# Altium PCB ControllerV3.0.PcbDoc (part 1 of 2)
Units mm, origin at the board's own origin, x right, y up, seen from the top; angles counter-clockwise.
Board outline 52.02 x 50 mm, 6 copper layers (Top, Layer 1, Gnd, Signal, Layer 2, Bottom), stack 1.696 mm thick; 96 components, 87 nets, 385 pads, 235 vias.
Unrouted connection lines stored in the file: 72.
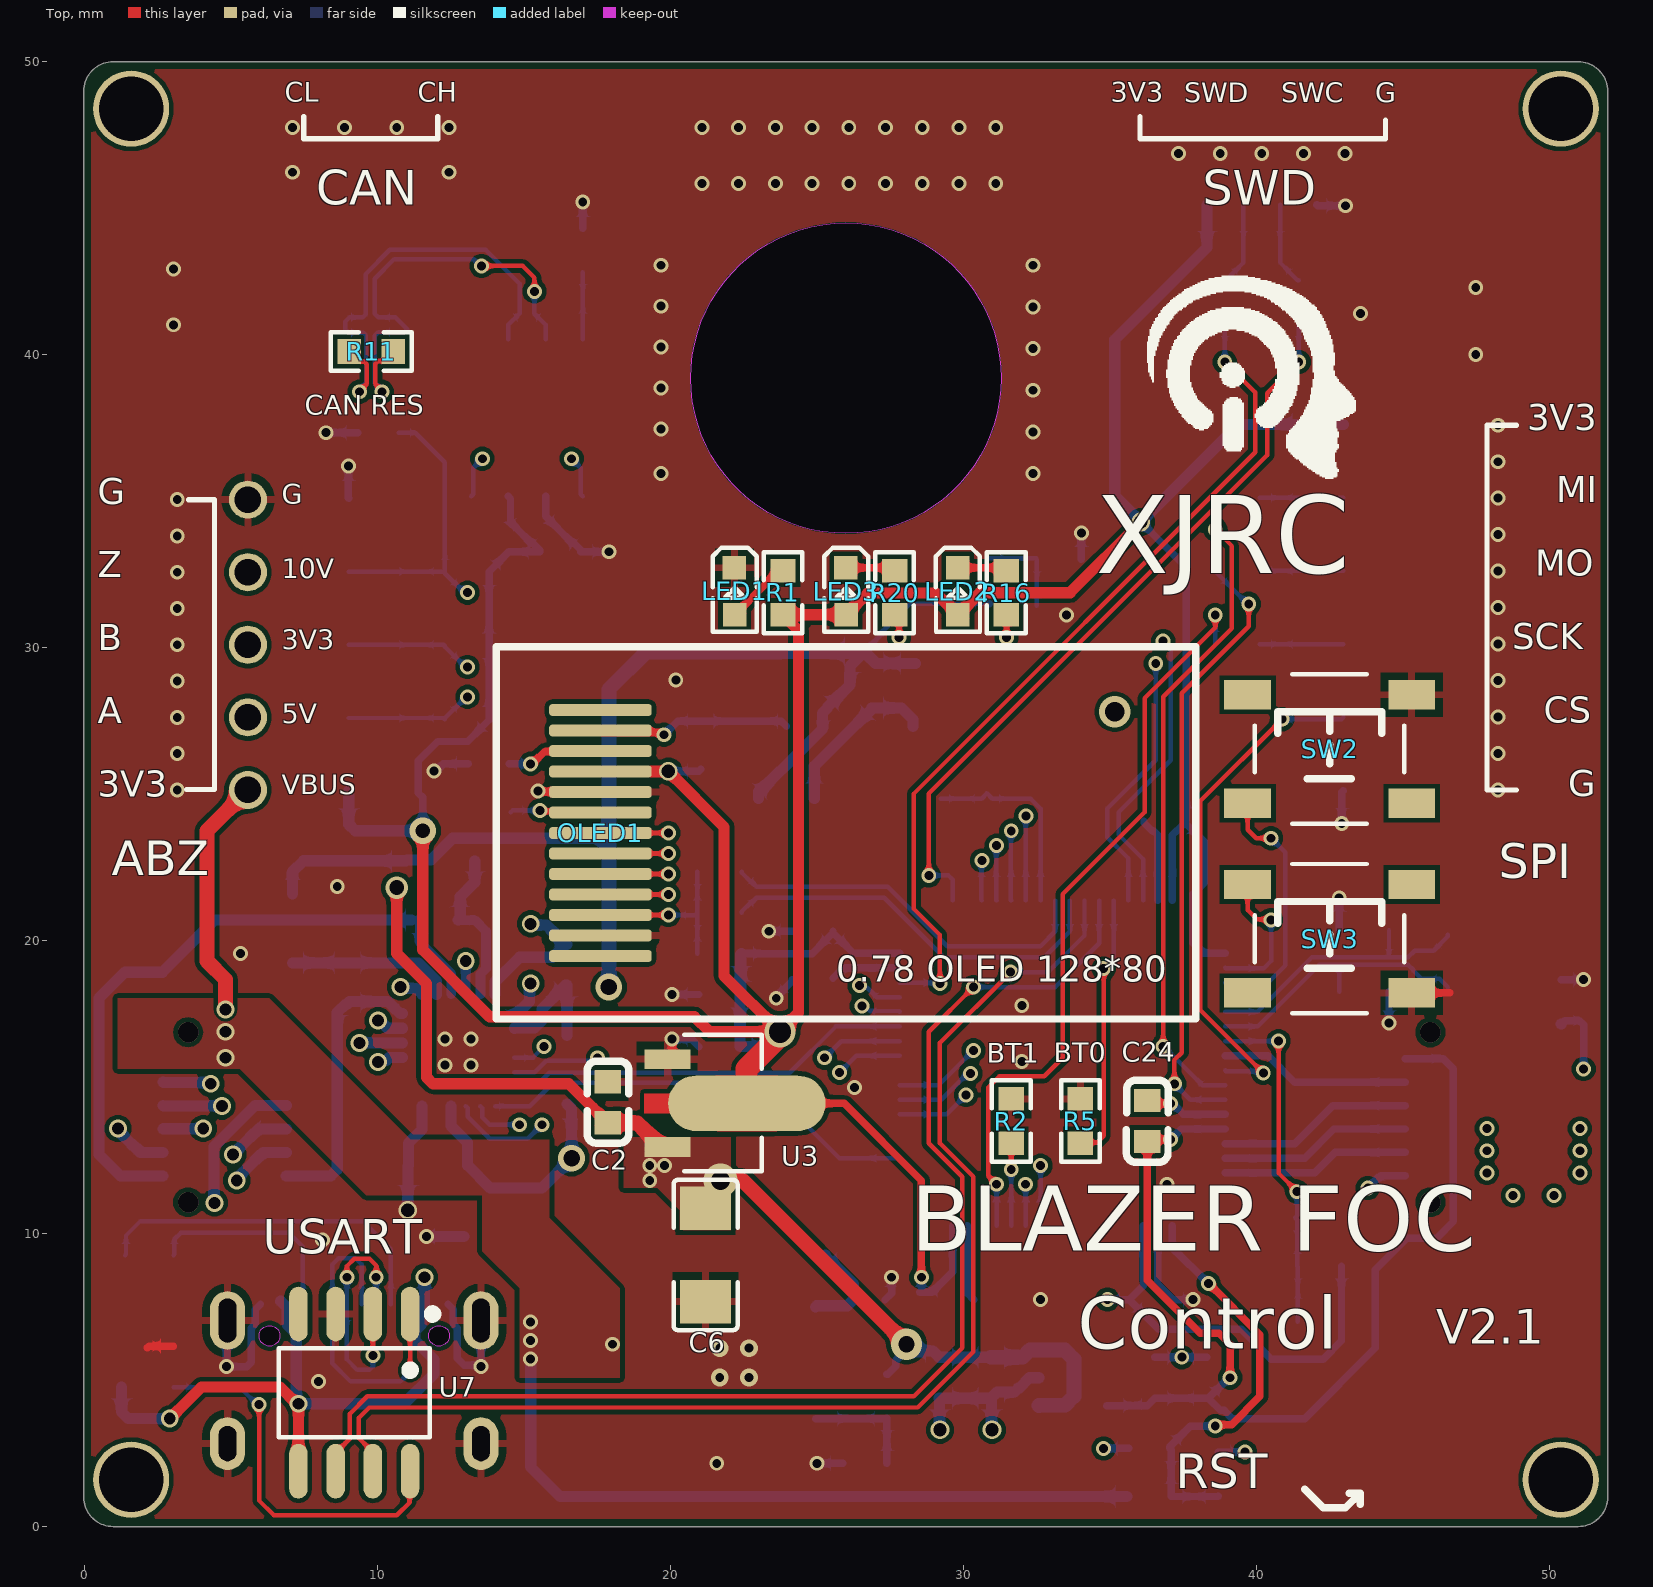
[diagram p0: Top view]
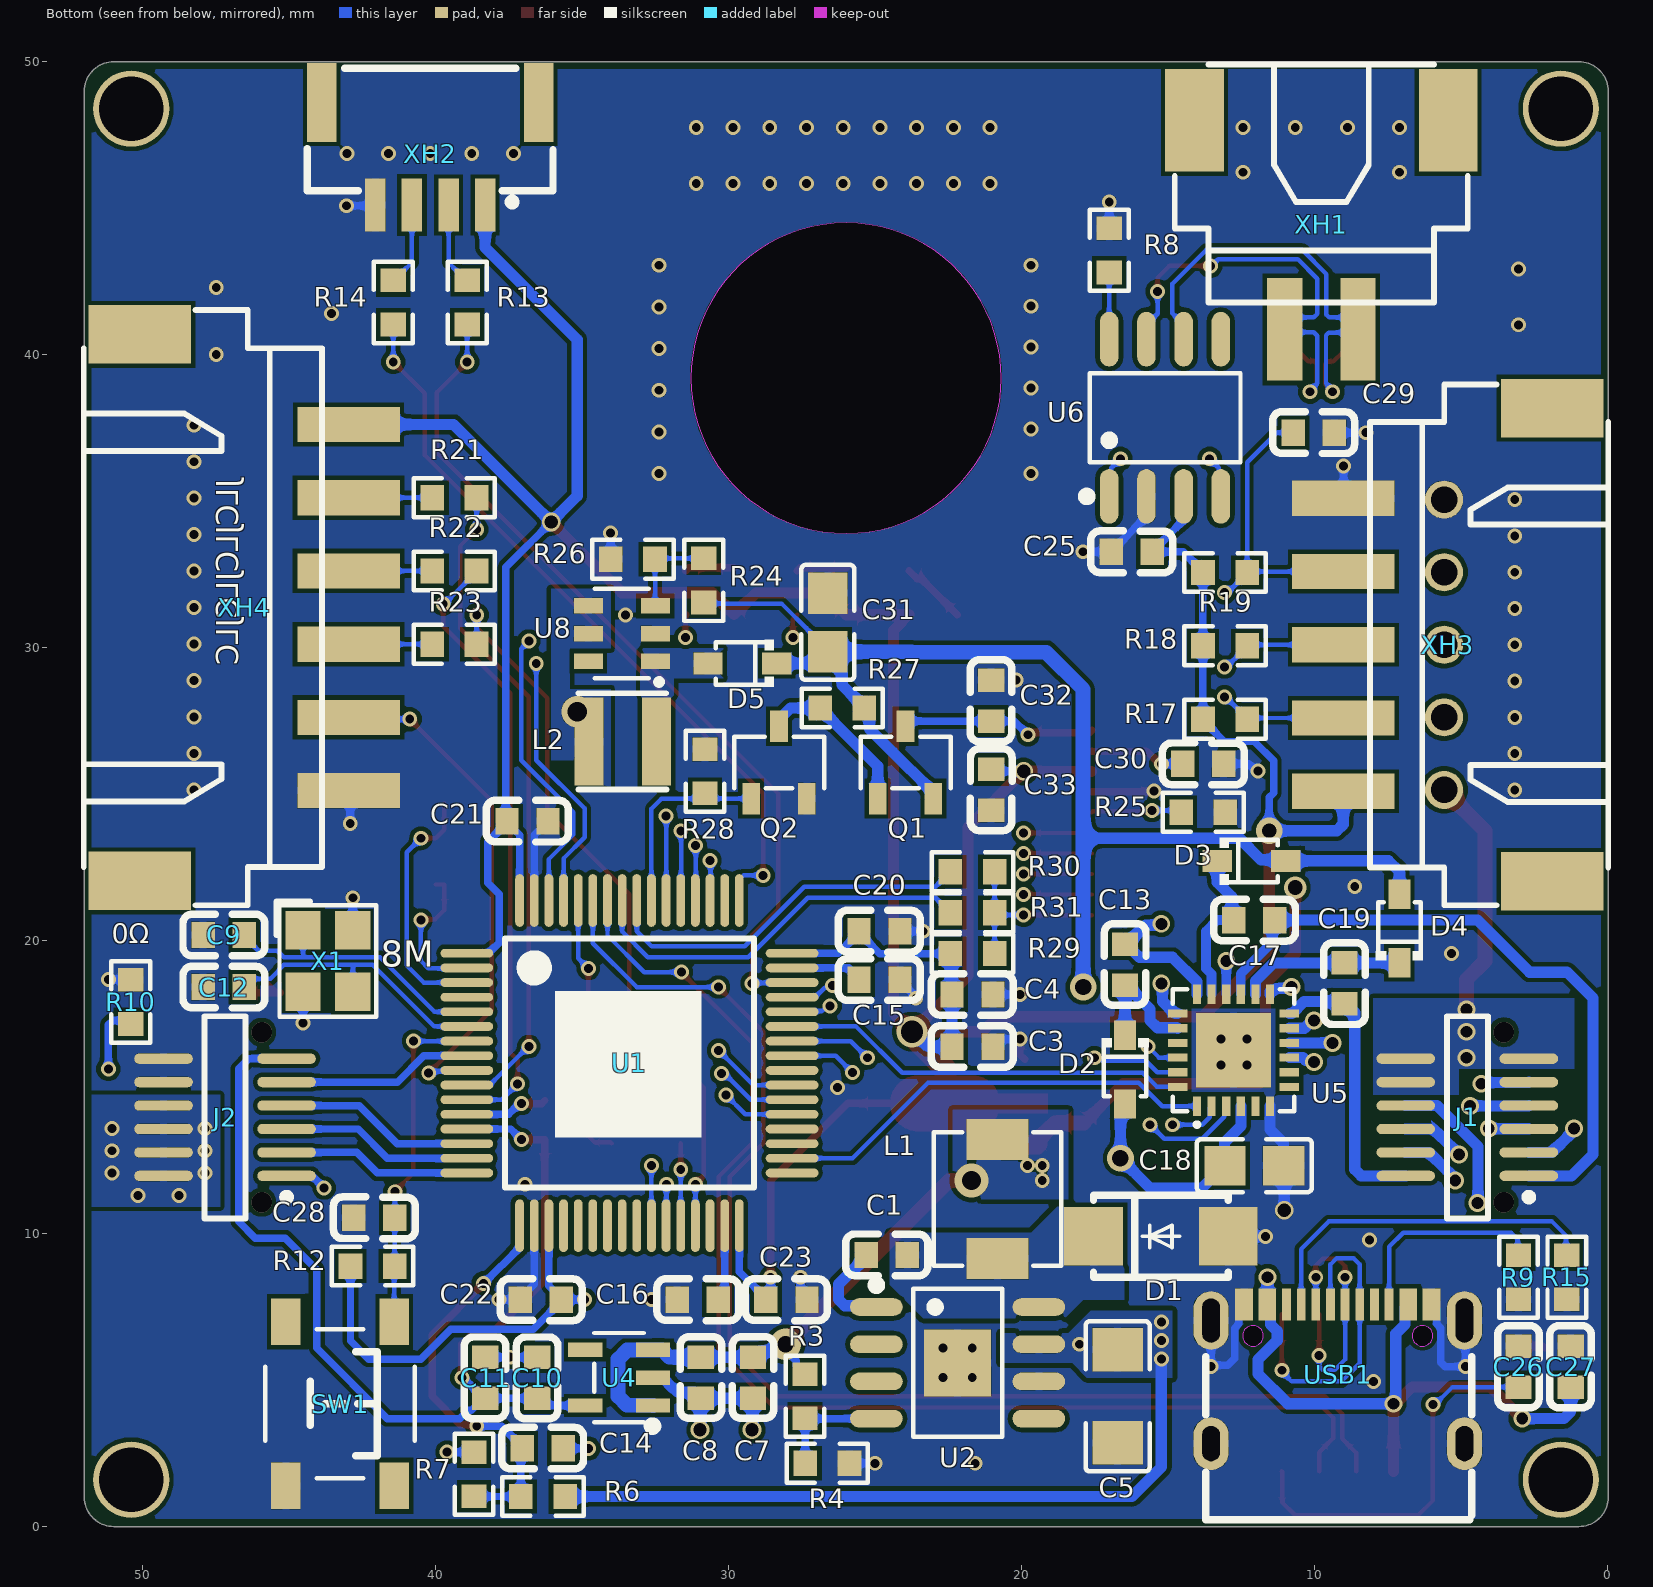
[diagram p1: Bottom view, seen from below]
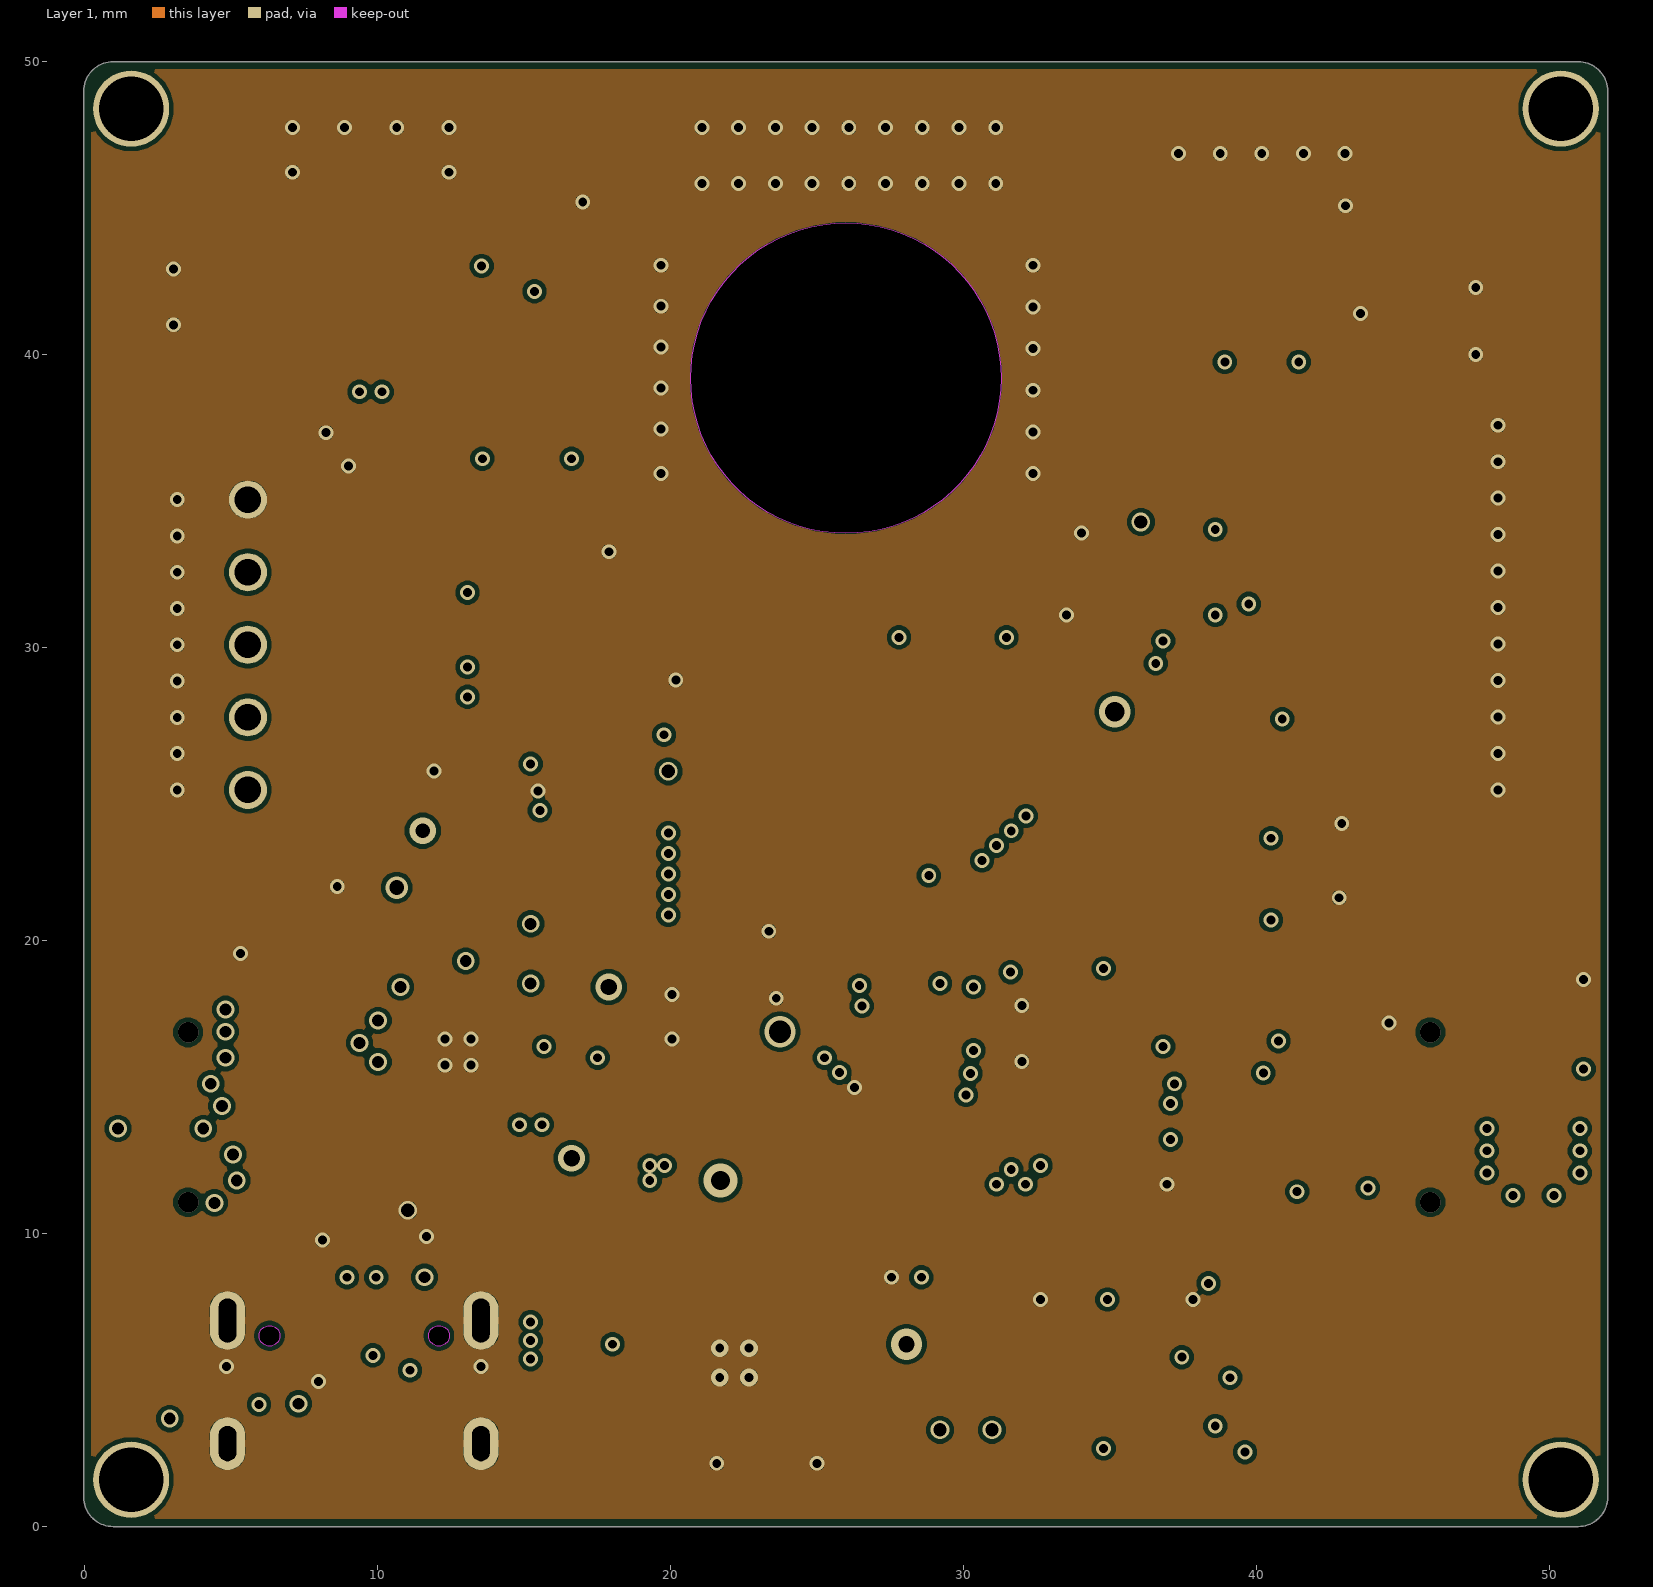
[diagram p2: Layer 1]
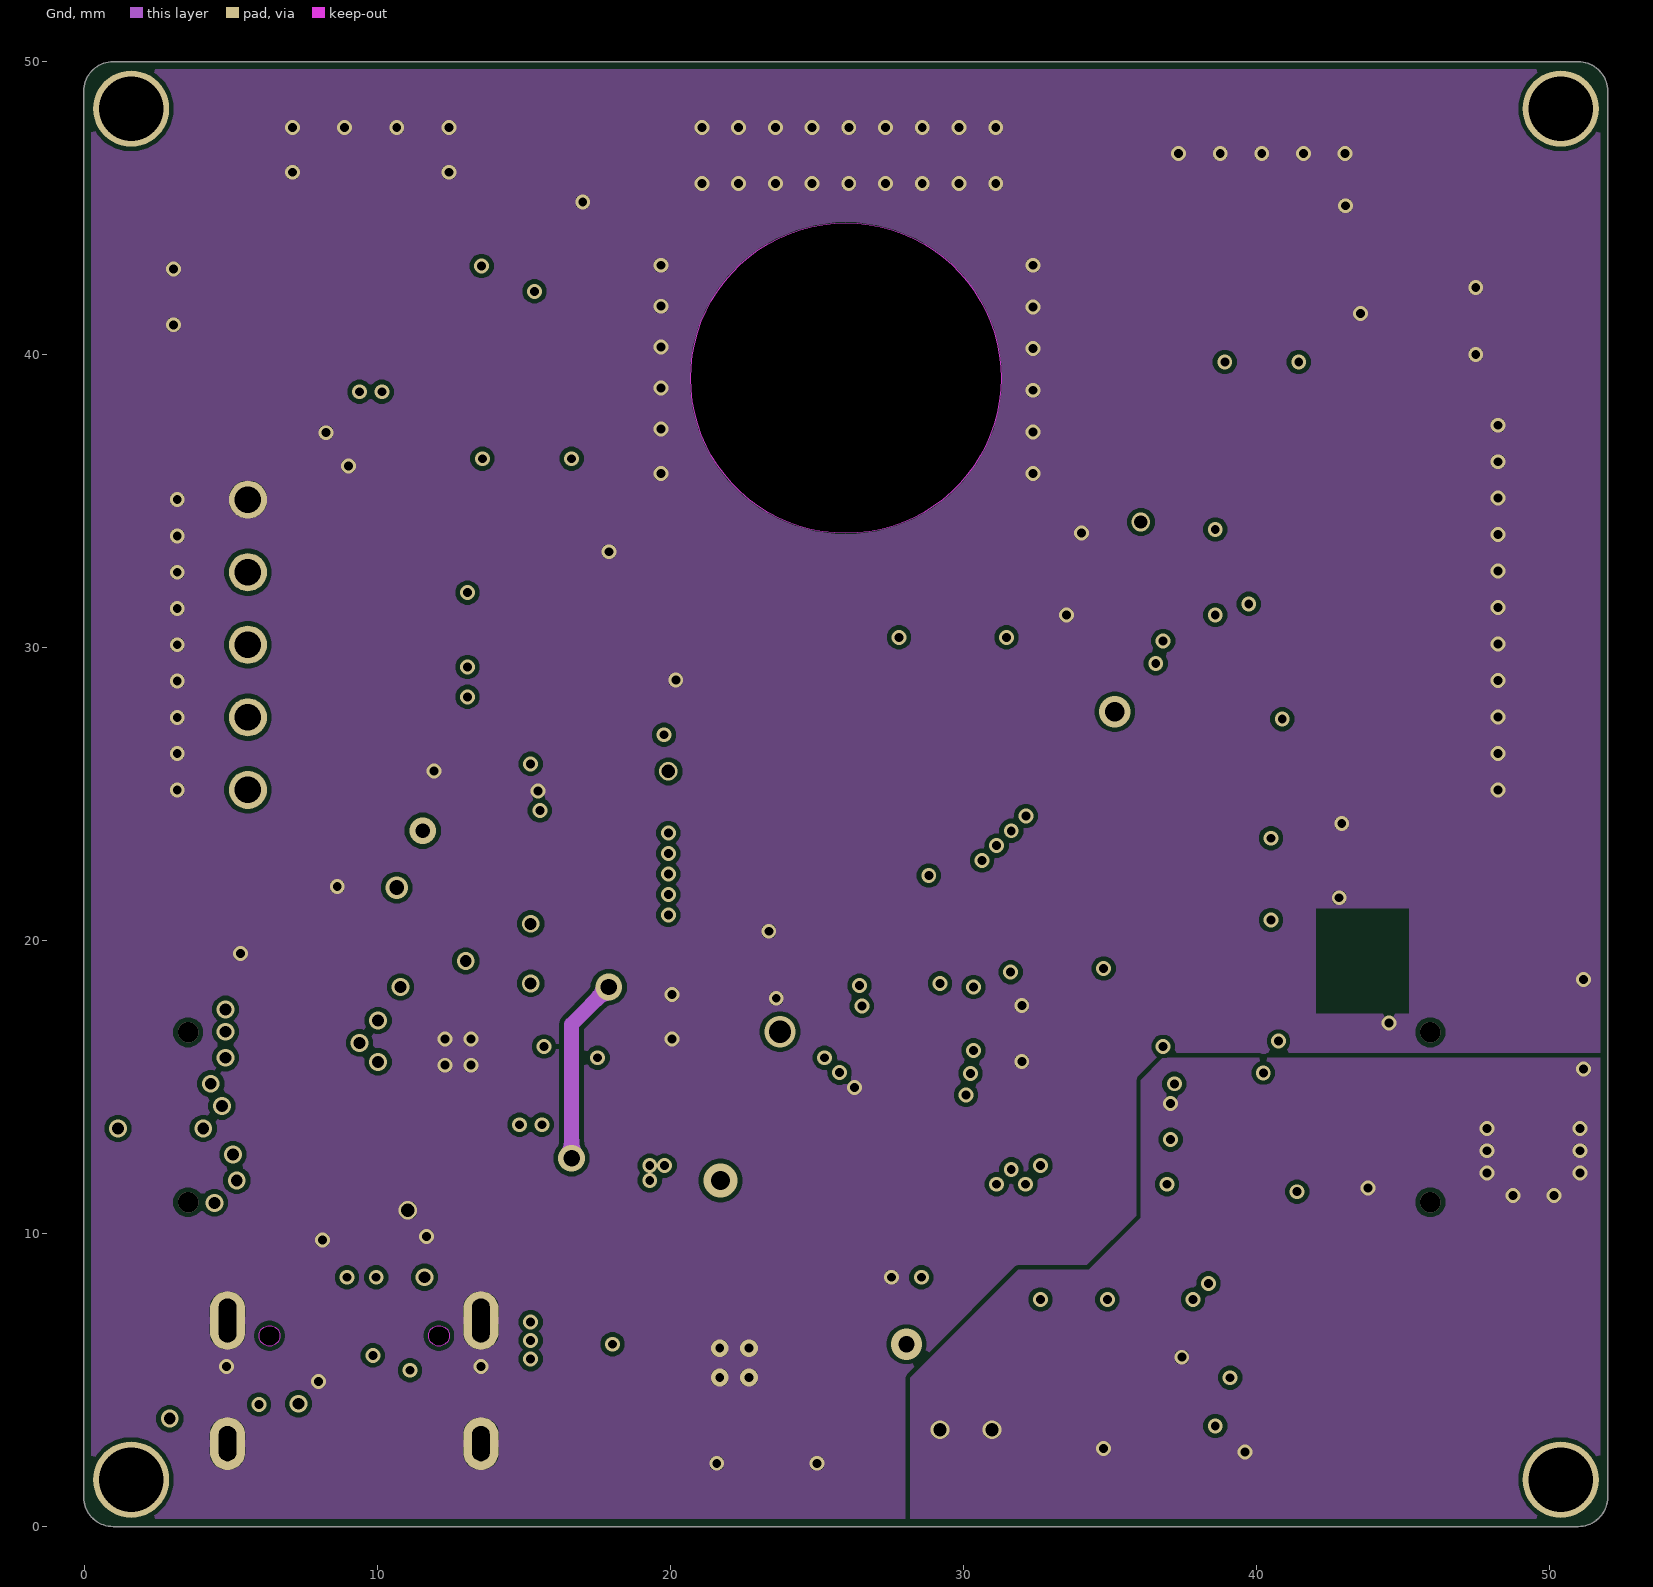
[diagram p3: Gnd]
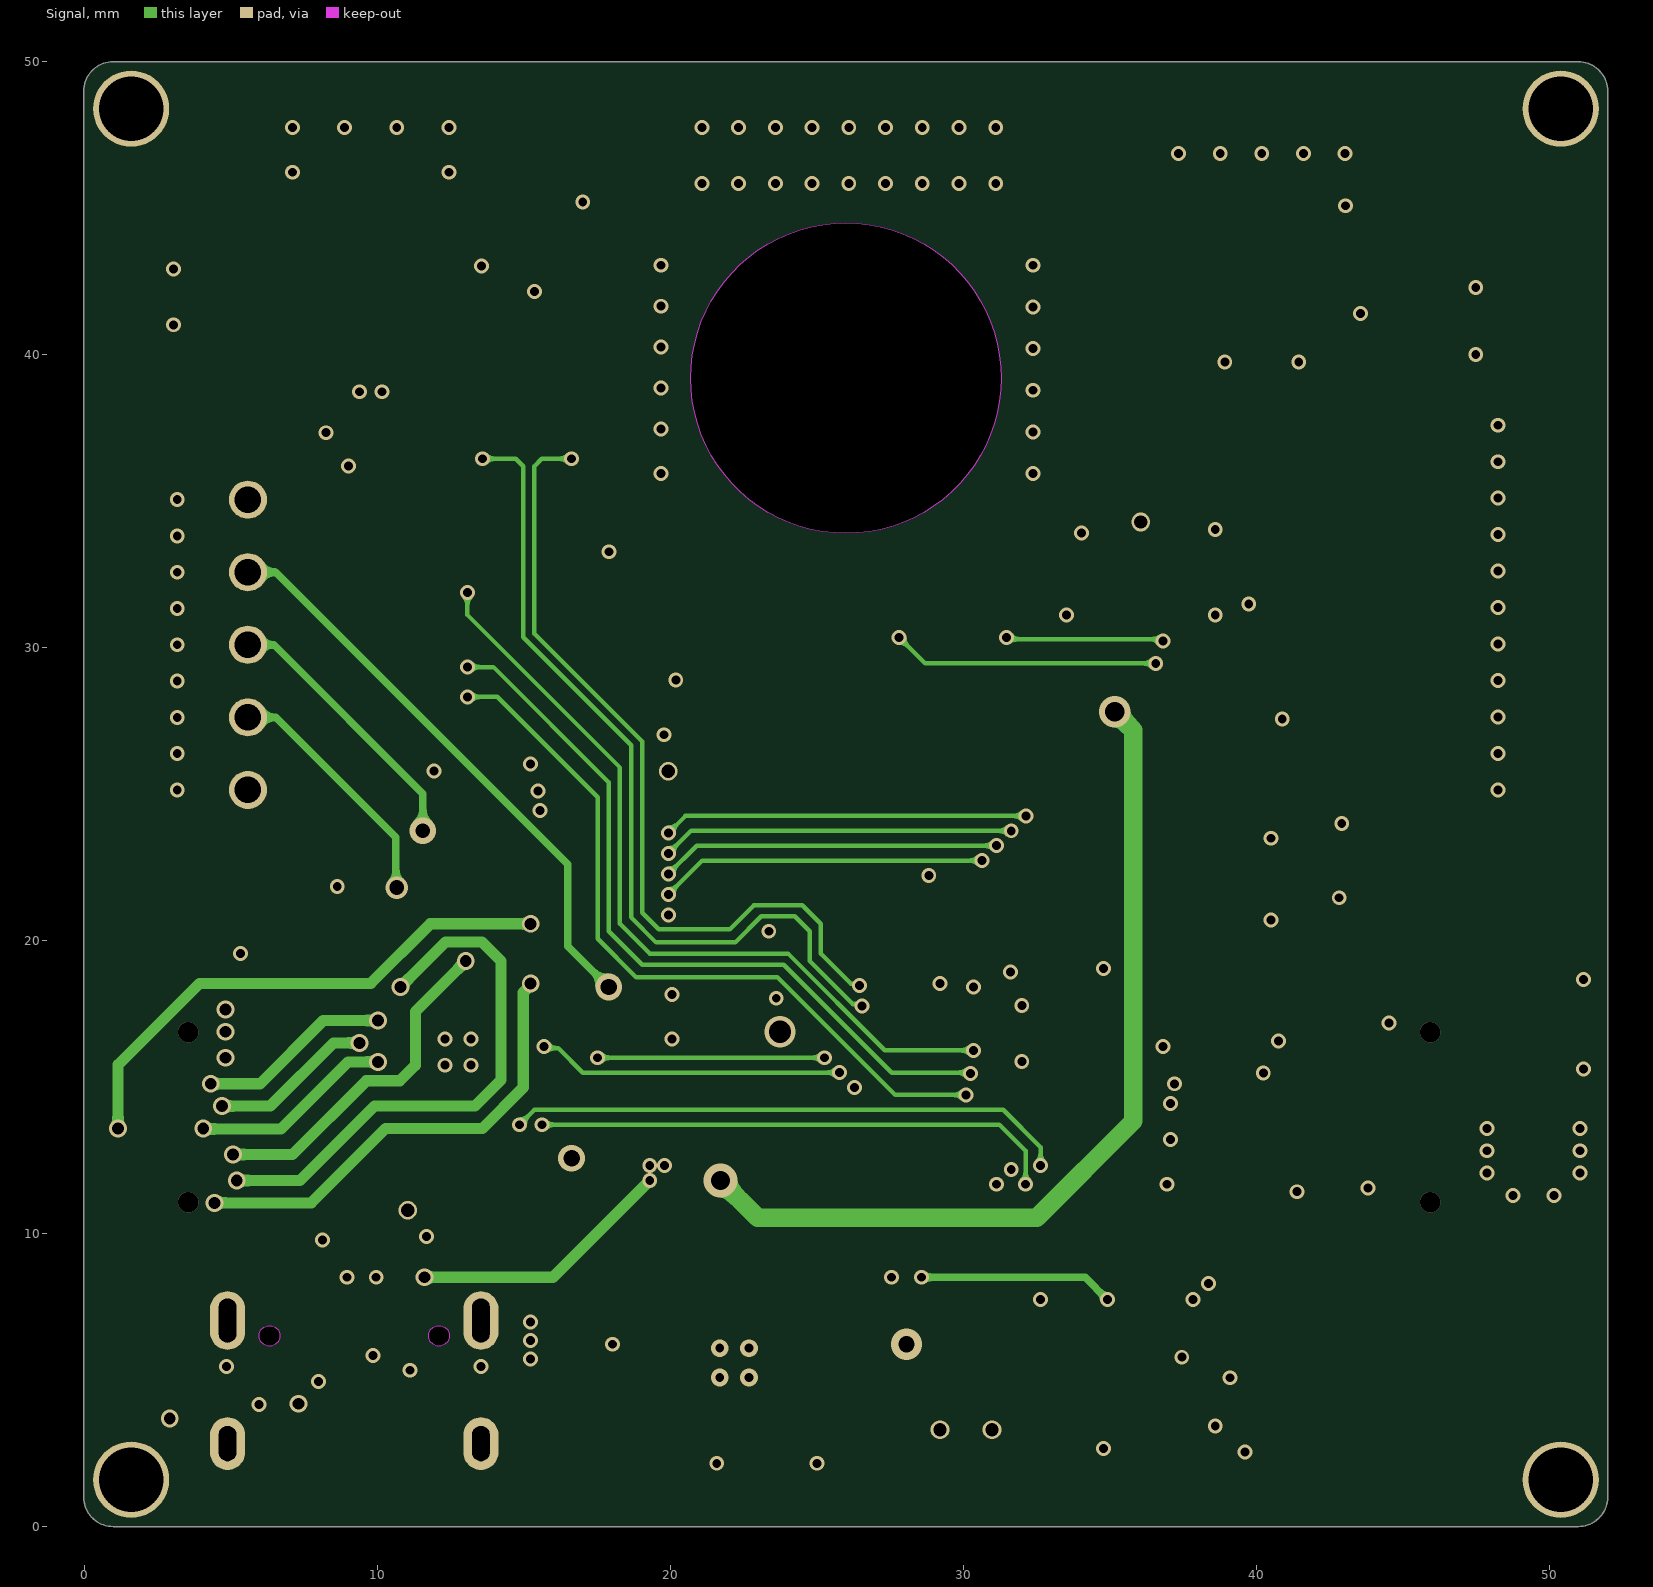
[diagram p4: Signal]
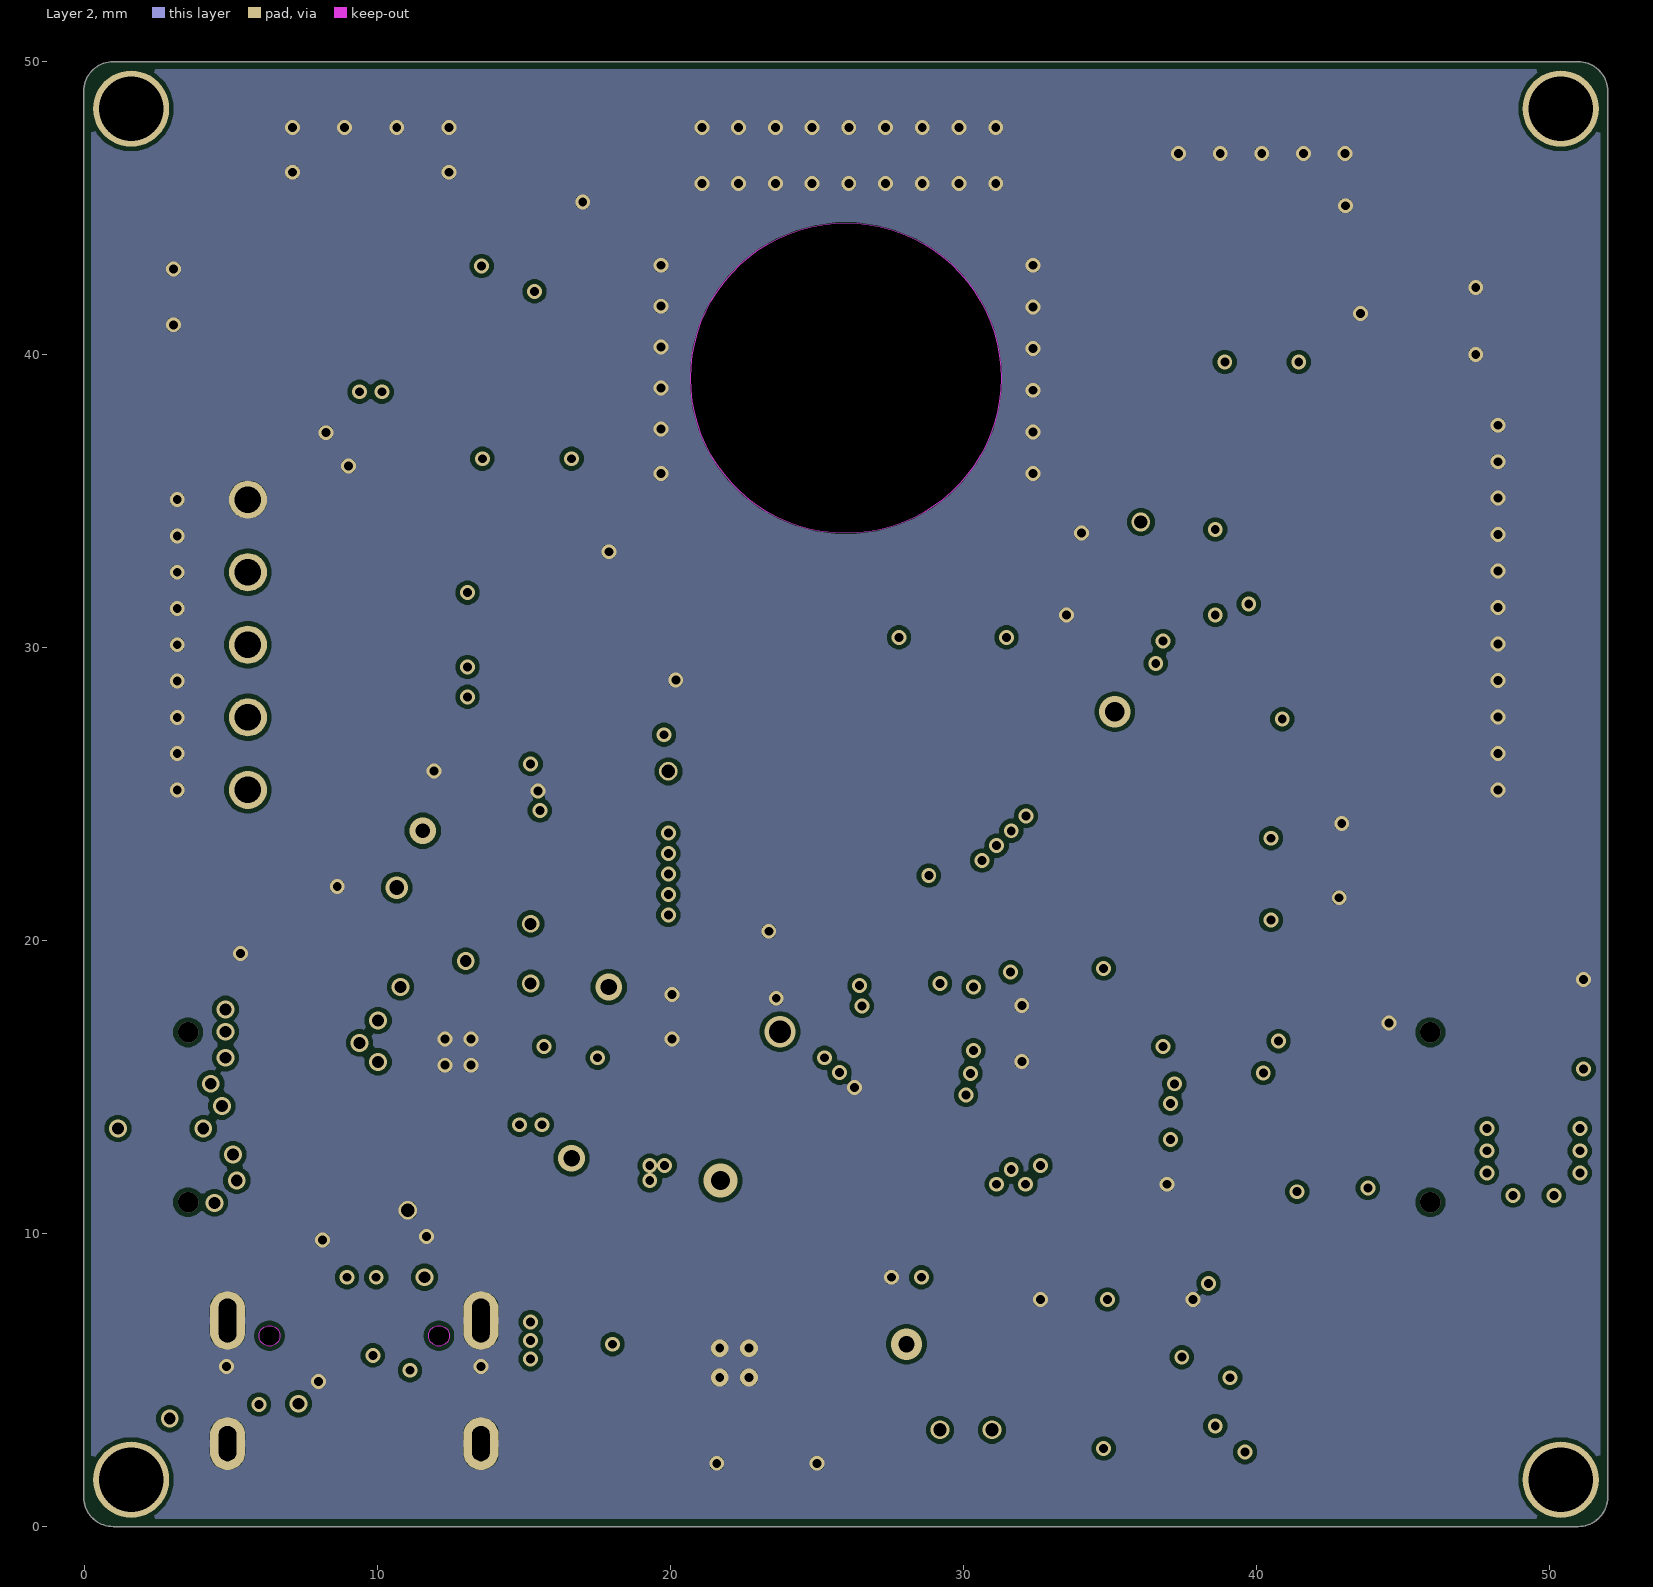
[diagram p5: Layer 2]
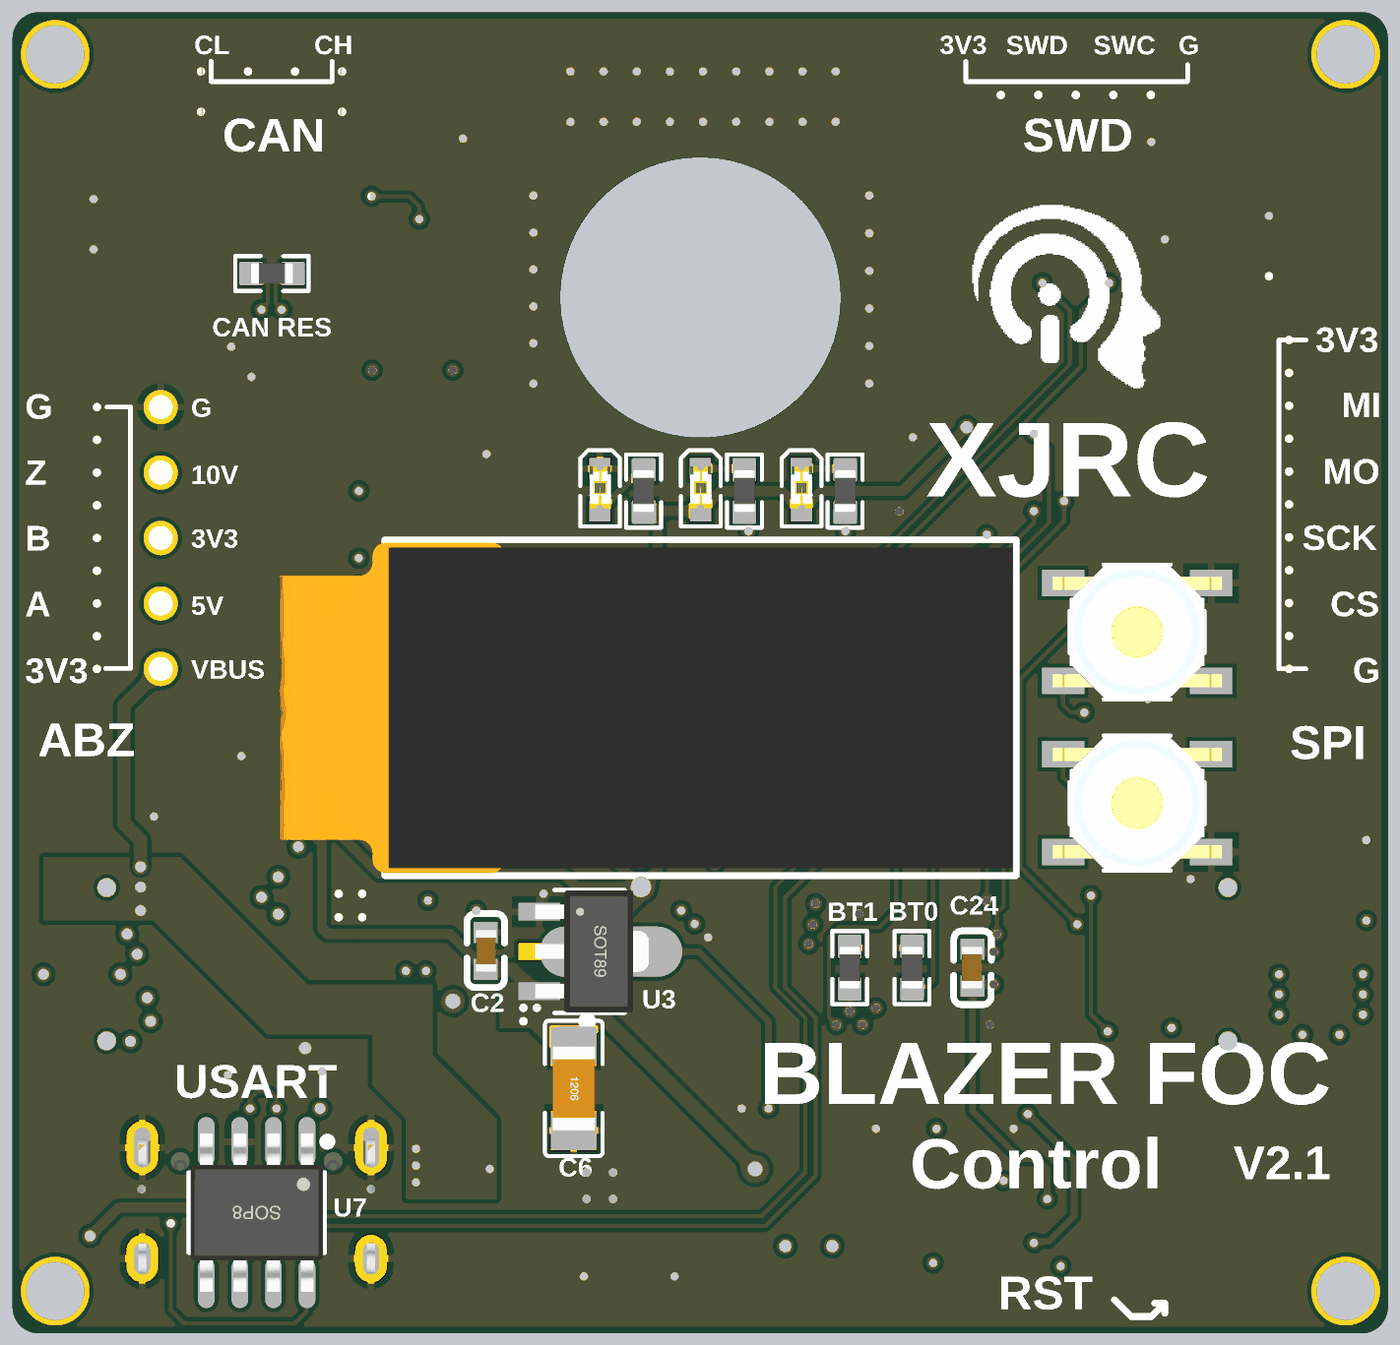
[diagram p7: 3D render of the assembled board from above, using the file's embedded part models]